# KiCad board solenoidDecoder.kicad_pcb (continued)
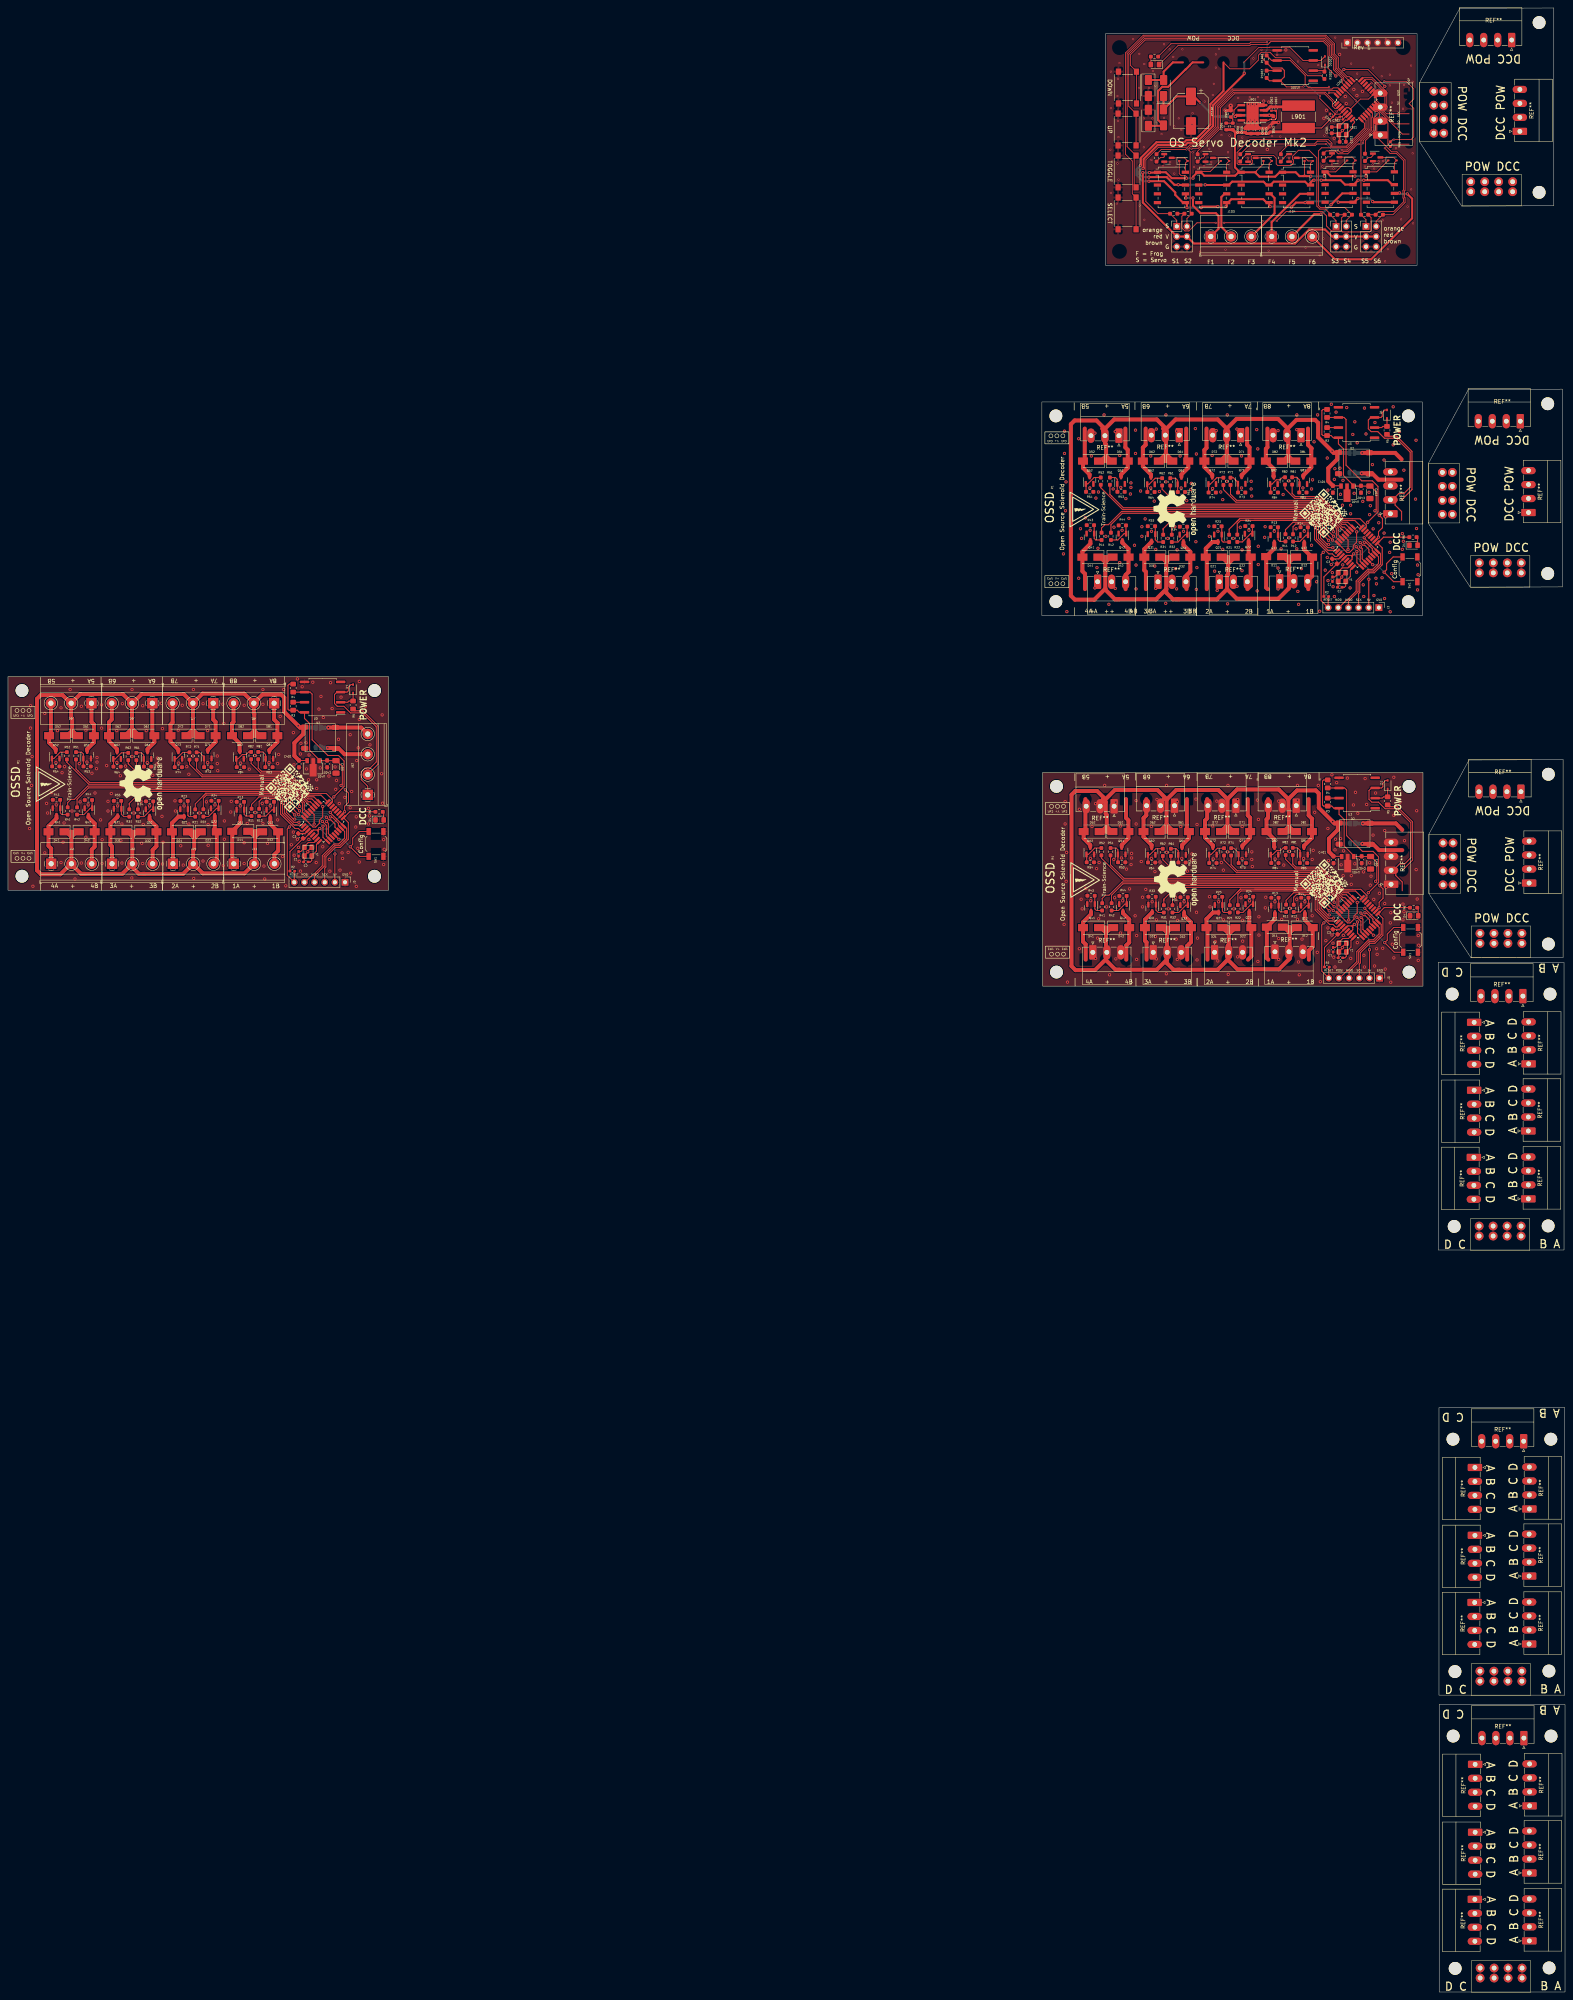
[diagram p0: board, top side]
## Routing (per net, layer and track width the routed paths; a pad name or vN(x,y) marks a point on that pad's centre or on a via; arc(x,y) is an arc through that point) (continued)
/POWER/Vin1: length 37.2
  Top w1: 348.9,383.7 347.28,385.31 339.06,385.31 v2(339.05,385.3) ; J62.4 88.44,316.56 80.22,316.56 v2(80.21,316.55) ; v2(339.21,292.55) 339.22,292.56 347.44,292.56 349.06,290.94
  Bottom w1: JP1#2.1 v2(339.05,385.3) ; 78.32,316.55 v2(80.21,316.55) ; JP1#3.1 v2(339.21,292.55)
/POWER/Vin2: length 37.4
  Top w1: 348.9,378.62 343.11,378.62 341.51,380.21 338.93,380.21 v2(338.92,380.22) ; v2(339.08,287.47) 339.09,287.46 341.67,287.46 343.27,285.86 349.06,285.86 ; J62.3 84.27,309.86 82.67,311.46 80.09,311.46 v2(80.08,311.47)
  Bottom w1: v2(80.08,311.47) 78.44,311.47 78.32,311.59 ; JP2#2.2 337.44,287.47 v2(339.08,287.47) ; v2(338.92,380.22) 337.28,380.22 JP2#3.2
GND: length 67.3
  Top w0.2: U202.3 333.49,471.59 v1(332.62,470.73) ; v2(332.65,468.91) 333.2,469.46 C202.2 333.92,469.46 U202.5 ; v1(341.38,477.84) 341.16,477.84 U202.21
  Top w0.25: C2.1 332.99,351.79 332.99,353.18 333.9,354.1 v2(333.9,354.23) 333.9,354.4 334.89,355.38 ; C201.1 332.79,465.34 Y201.2 ; Y201.2 334.04,465.86 v2(334.04,465.99) 334.17,465.99 335.06,466.87 Y201.4 ; Y201.2 333.39,464.74 C203.1 ; C2#2.1 74.15,283.04 74.15,284.43 75.06,285.34 v2(75.06,285.48) 75.06,285.64 76.05,286.63 ; C2#3.1 333.15,259.04 333.15,260.43 334.06,261.34 v2(334.06,261.48) 334.06,261.64 335.05,262.63 ; C3.1 333.2,358.78 U1#2.3 ; C3#3.1 333.36,266.02 U1.3 ; C3#2.1 74.36,290.02 U1#3.3
  Top w0.7: 311.97,466.6 315.34,466.6 C901.2 316.8,468.06 v2(318.06,468.06) ; v2(304.73,471.11) 304.79,471.04 R902.2
  Top w1: v2(306.12,472.25) 306.1,472.22 306.1,471.04 ; v2(311.58,472.63) v2(311.58,468.19) 311.58,467.2 C904.2 ; U901.4 312.85,472.38 v2(312.6,472.63) v2(312.6,468.19) 312.6,467.06 C905.2 312.65,466.6 309.81,466.6 310.57,467.36 v2(310.57,468.19) v2(310.57,472.63)
  vias: v1(275.98,461.2) v1(276.1,480.76) v1(276.1,471.61) v1(276.1,450.4) v1(277.63,447.74) v1(277.76,474.66) v1(277.76,457.77) v1(277.88,478.98) v1(277.88,468.44) v1(278.01,464.38) v1(278.01,453.71) v1(278.26,482.92) v1(281.69,488.89) v1(283.22,485.2) v1(283.22,476.69) v1(283.34,447.23) v1(284.36,469.07) v1(284.36,461.84) v1(284.49,482.66) v1(284.49,443.67) v1(285.63,476.69) v1(286.26,458.66) v1(286.52,469.07) v1(286.65,480.88) v1(287.28,477.2) v1(288.42,439.99) v1(288.8,465.14) v1(289.19,457.14) v1(289.44,487.62) v1(289.44,469.2) v1(290.84,486.35) v1(290.96,458.15) v1(291.73,484.44) v1(291.98,467.04) v1(291.98,455.23) v1(293.12,469.07) v1(293.76,466.15) v1(294.01,486.35) v1(296.42,467.55) v1(296.55,470.34) v1(296.55,460.56) v1(296.93,456.88) v1(298.46,435.67) v1(299.47,457.14) v1(299.6,473.26) v1(300.74,461.45) v1(301.25,458.15) v1(301.63,474.92) v1(301.89,477.71) v1(302.27,462.98) v1(302.39,485.08) v1(302.39,481.77) v1(303.16,486.47) v1(303.79,464.88) v1(304.81,436.18) v1(305.44,460.56) v1(305.82,464.76) v1(307.98,474.15) v1(308.11,462.22) v1(308.36,466.92) v1(309,464.25) v1(310.39,459.04) v1(310.9,474.41) v1(311.79,484.06) v1(312.93,474.41) v1(313.82,486.22) v1(315.6,435.93) v1(316.49,464.63) v1(317.76,484.95) v1(318.52,464.5) v1(320.68,459.17) v1(322.97,483.3) v1(324.87,436.69) v1(328.05,482.41) v1(328.43,434.78) v1(329.06,457.01) v1(329.32,438.98) v1(329.57,464.76) v1(331.48,457.52) v1(331.86,456.5) v1(332.27,489.27) v1(333,458.41) v1(336.27,482.77) v1(337.77,480.27) v1(339.73,457.01) v1(341.64,457.52) v1(341.77,481.77) v1(342.02,456.5) v1(343.16,458.28) v1(343.92,479.62) v1(344.18,443.55) v1(344.3,458.41) v1(344.77,433.27) v1(344.94,488.89) v1(345.32,441.01) v1(345.45,436.31) v1(345.95,480) v1(345.95,477.33) v1(346.08,470.98) v1(346.46,473.01) v1(347.48,461.58) v1(348.77,443.77) v1(349.26,471.49) v1(349.51,477.46) v1(350.4,446.98) v1(351.27,482.27) v1(351.29,451.29) v1(351.67,478.22) v1(351.67,460.31) v1(351.77,442.77) v2(5.4,291.27) v2(5.66,322.01) v2(5.66,316.42) v2(5.91,302.07) v2(6.04,309.31) v2(6.25,276.82) v2(9.21,320.1) v2(9.21,285.18) v2(9.67,297.57) v2(9.92,295.16) v2(10.86,300.29) v2(12.01,307.78) v2(12.08,297.19) v2(12.39,315.78) v2(13.28,321.5) v2(13.28,282.76) v2(13.53,305.24) v2(13.79,287.84) v2(14.04,292.67) v2(14.17,306.77) v2(15.56,326.07) v2(16.02,295.67) v2(16.78,278.65) v2(17.85,307.53) v2(18.05,297.95) v2(18.36,321.88) v2(18.36,282.64) v2(19.5,315.91) v2(19.5,289.11) v2(19.76,307.91) v2(20.08,297.19) v2(21.02,305.12) v2(21.79,300.16) v2(22.17,306.26) v2(22.29,309.05) v2(22.29,307.91) v2(23.18,293.43) v2(23.44,322.26) v2(23.44,316.42) v2(23.57,288.48) v2(23.57,282.51) v2(24.71,307.02) v2(25.03,298.08) v2(25.03,295.67) v2(25.85,300.04) v2(27.25,315.78) v2(27.25,307.78) v2(27.45,296.94) v2(28.14,304.48) v2(28.26,288.23) v2(28.52,292.42) v2(28.52,282.64) v2(28.65,322.51) v2(29.41,306.89) v2(31,278.9) v2(31.06,326.07) v2(31.06,309.31) v2(31.51,295.16) v2(33.29,298.08) v2(33.47,287.59) v2(33.73,322.01) v2(33.73,282.51) v2(33.85,292.29) v2(34.61,315.78) v2(34.87,307.78) v2(35.45,296.94) v2(36.26,304.61) v2(37.28,307.4) v2(37.41,308.93) v2(38.42,322.64) v2(38.55,294.32) v2(38.68,316.29) v2(38.68,282.38) v2(38.8,287.84) v2(41.8,298.21) v2(41.92,295.67) v2(42.62,315.91) v2(42.74,307.66) v2(43.25,286.95) v2(43.63,322.13) v2(43.88,282.13) v2(44.08,296.94) v2(44.77,306.77) v2(45.28,304.86) v2(45.28,292.42) v2(46.3,309.43) v2(46.43,326.07) v2(46.5,278.77) v2(47.89,295.16) v2(48.84,322.51) v2(48.84,283.14) v2(49.67,297.95) v2(49.98,315.78) v2(49.98,307.78) v2(50.11,292.29) v2(50.11,287.08) v2(51.83,297.19) v2(52.39,309.43) v2(52.39,307.53) v2(52.52,305.75) v2(53.79,322.39) v2(53.92,282) v2(54.04,317.56) v2(54.17,293.18) v2(54.17,288.61) v2(55.77,295.41) v2(55.89,298.08) v2(58.18,296.94) v2(58.24,307.66) v2(59.12,322.13) v2(59.12,287.72) v2(59.12,282.51) v2(59.89,292.54) v2(60.4,306.13) v2(61.79,309.56) v2(61.86,295.28) v2(63.64,297.57) v2(63.82,326.07) v2(63.82,322.39) v2(63.82,292.54) v2(64.08,281.88) v2(64.28,278.65) v2(64.97,287.59) v2(65.35,307.78) v2(65.67,296.94) v2(67.51,307.53) v2(67.51,293.43) v2(67.76,309.81) v2(68.14,319.34) v2(68.78,284.29) v2(69.03,326.07) v2(69.54,276.92) v2(70.94,287.21) v2(71.44,315.28) v2(71.44,290.38) v2(71.59,307.24) v2(71.64,284.59) v2(72.46,328.74) v2(72.46,288.61) v2(72.71,286.57) v2(72.91,283.06) v2(73.22,309.94) v2(73.22,280.61) v2(73.35,312.61) v2(73.65,326.76) v2(74.62,312.74) v2(74.75,306.19) v2(75.25,303.47) v2(75.38,309.69) v2(75.32,288.53) v2(76.32,327.9) v2(77.16,282.76) v2(77.29,303.47) v2(77.29,301.31) v2(77.84,321.17) v2(78.18,306.44) v2(78.35,324.35) v2(78.81,286.7) v2(78.94,319.09) v2(80.34,304.41) v2(80.46,283.53) v2(80.59,280.61) v2(80.76,327.78) v2(81.14,321.3) v2(81.9,306.7) v2(82.05,301.1) v2(82.24,303.34) v2(82.75,313.62) v2(82.94,297.54) v2(83.13,280.86) v2(83.38,324.17) v2(83.64,285.18) v2(83.76,283.78) v2(84.34,299.07) v2(85.16,285.3) v2(85.67,314.77) v2(85.67,296.48) v2(85.79,280.1) v2(86.05,300.54) v2(87.06,291.65) v2(87.19,294.19) v2(87.19,276.8) v2(87.32,308.29) v2(87.57,286.32) v2(87.7,311.47) v2(87.95,328.1) v2(87.95,318.58) v2(87.95,282.89) v2(89.48,321.88) v2(90.24,296.35) v2(90.24,292.42) v2(90.49,294.45) v2(90.62,312.23) v2(93.54,304.99) v2(93.67,319.72) v2(93.8,297.62) v2(94.05,288.48) v2(94.05,282.26) v2(94.18,286.07) v2(264.24,360.03) v2(264.4,267.27) v2(264.5,390.76) v2(264.5,385.17) v2(264.66,298.01) v2(264.66,292.42) v2(264.75,370.82) v2(264.88,378.06) v2(264.91,278.07) v2(265.09,345.58) v2(265.04,285.31) v2(265.25,252.82) v2(268.05,388.86) v2(268.05,353.93) v2(268.21,296.1) v2(268.21,261.18) v2(268.51,366.33) v2(268.67,273.57) v2(268.76,363.91) v2(268.92,271.16) v2(269.7,369.05) v2(269.87,276.29) v2(270.85,376.54) v2(270.92,365.94) v2(271.01,283.78) v2(271.08,273.19) v2(271.23,384.54) v2(271.39,291.78) v2(272.12,390.25) v2(272.12,351.52) v2(272.28,297.5) v2(272.28,258.76) v2(272.37,374) v2(272.53,281.24) v2(272.62,356.6) v2(272.79,263.84) v2(272.88,361.43) v2(273.01,375.52) v2(273.04,268.67) v2(273.17,282.77) v2(274.4,394.83) v2(274.56,302.07) v2(274.86,364.42) v2(275.02,271.67) v2(275.62,347.4) v2(275.78,254.65) v2(276.69,376.28) v2(276.89,366.71) v2(276.85,283.53) v2(277.05,273.95) v2(277.2,390.63) v2(277.2,351.39) v2(277.36,297.88) v2(277.36,258.64) v2(278.34,384.67) v2(278.34,357.87) v2(278.5,291.91) v2(278.5,265.11) v2(278.59,376.67) v2(278.75,283.91) v2(278.92,365.94) v2(279.08,273.19) v2(279.86,373.87) v2(280.03,281.12) v2(280.63,368.92) v2(280.79,276.16) v2(281.01,375.01) v2(281.13,377.81) v2(281.13,376.67) v2(281.17,282.26) v2(281.3,285.05) v2(281.3,283.91) v2(282.02,362.19) v2(282.18,269.43) v2(282.28,391.02) v2(282.28,385.17) v2(282.4,357.23) v2(282.4,351.26) v2(282.44,298.26) v2(282.44,292.42) v2(282.56,264.48) v2(282.56,258.51) v2(283.55,375.78) v2(283.71,283.02) v2(283.87,366.83) v2(283.87,364.42) v2(284.03,274.08) v2(284.03,271.67) v2(284.69,368.79) v2(284.85,276.04) v2(286.09,384.54) v2(286.09,376.54) v2(286.29,365.69) v2(286.25,291.78) v2(286.25,283.78) v2(286.45,272.94) v2(286.98,373.24) v2(287.1,356.98) v2(287.14,280.48) v2(287.26,264.23) v2(287.36,361.17) v2(287.36,351.39) v2(287.48,391.27) v2(287.52,268.42) v2(287.52,258.64) v2(287.65,298.51) v2(288.25,375.65) v2(288.41,282.89) v2(289.9,394.83) v2(289.9,378.06) v2(289.84,347.66) v2(290,254.9) v2(290.06,302.07) v2(290.06,285.31) v2(290.35,363.91) v2(290.51,271.16) v2(292.13,366.83) v2(292.29,274.08) v2(292.31,356.35) v2(292.47,263.59) v2(292.56,390.76) v2(292.56,351.26) v2(292.69,361.04) v2(292.73,298.01) v2(292.73,258.51) v2(292.85,268.29) v2(293.45,384.54) v2(293.61,291.78) v2(293.71,376.54) v2(293.87,283.78) v2(294.29,365.69) v2(294.45,272.94) v2(295.1,373.36) v2(295.27,280.61) v2(296.12,376.16) v2(296.25,377.68) v2(296.28,283.4) v2(296.41,284.93) v2(297.26,391.4) v2(297.39,363.08) v2(297.42,298.64) v2(297.52,385.05) v2(297.52,351.14) v2(297.55,270.32) v2(297.64,356.6) v2(297.68,292.29) v2(297.68,258.38) v2(297.81,263.84) v2(300.64,366.96) v2(300.76,364.42) v2(300.8,274.21) v2(300.92,271.67) v2(301.45,384.67) v2(301.58,376.41) v2(301.62,291.91) v2(301.74,283.66) v2(302.09,355.71) v2(302.25,262.95) v2(302.47,390.89) v2(302.63,298.13) v2(302.72,350.88) v2(302.88,258.13) v2(302.92,365.69) v2(303.08,272.94) v2(303.61,375.52) v2(303.77,282.77) v2(304.12,373.62) v2(304.12,361.17) v2(304.28,280.86) v2(304.28,268.42) v2(305.14,378.19) v2(305.26,394.83) v2(305.3,285.43) v2(305.34,347.53) v2(305.43,302.07) v2(305.5,254.77) v2(306.73,363.91) v2(306.89,271.16) v2(307.68,391.27) v2(307.68,351.9) v2(307.84,298.51) v2(307.84,259.14) v2(308.51,366.71) v2(308.67,273.95) v2(308.82,384.54) v2(308.82,376.54) v2(308.95,361.04) v2(308.95,355.84) v2(308.98,291.78) v2(308.98,283.78) v2(309.11,268.29) v2(309.11,263.08) v2(310.67,365.94) v2(310.83,273.19) v2(311.23,378.19) v2(311.23,376.28) v2(311.36,374.51) v2(311.39,285.43) v2(311.39,283.53) v2(311.52,281.75) v2(312.63,391.14) v2(312.76,350.76) v2(312.79,298.39) v2(312.88,386.32) v2(312.92,258) v2(313.01,361.93) v2(313.01,357.36) v2(313.05,293.56) v2(313.17,269.18) v2(313.17,264.61) v2(314.38,473.39) v2(314.61,364.17) v2(314.73,366.83) v2(314.77,271.41) v2(314.89,274.08) v2(315.27,461.27) v2(315.65,473.14) v2(316.03,467.17) v2(317.08,376.41) v2(317.02,365.69) v2(317.18,272.94) v2(317.24,283.66) v2(317.96,390.89) v2(317.96,356.47) v2(317.96,351.26) v2(318.12,298.13) v2(318.12,263.72) v2(318.12,258.51) v2(318.73,361.3) v2(318.89,268.54) v2(319.23,374.89) v2(319.4,282.13) v2(319.92,486.2) v2(320.63,378.32) v2(320.7,364.04) v2(320.79,285.56) v2(320.86,271.28) v2(322.48,366.33) v2(322.66,394.83) v2(322.66,391.14) v2(322.66,361.3) v2(322.64,273.57) v2(322.82,302.07) v2(322.82,298.39) v2(322.82,268.54) v2(322.92,350.63) v2(323.08,257.88) v2(323.12,347.4) v2(323.28,254.65) v2(323.81,356.35) v2(323.97,263.59) v2(324.19,376.54) v2(324.35,283.78) v2(324.51,365.69) v2(324.67,272.94) v2(326.35,376.28) v2(326.35,362.19) v2(326.6,378.57) v2(326.51,283.53) v2(326.51,269.43) v2(326.76,285.81) v2(326.98,388.1) v2(327.14,295.34) v2(327.62,353.04) v2(327.78,260.29) v2(327.87,394.83) v2(328.03,302.07) v2(328.38,345.68) v2(328.54,252.92) v2(329.44,469.07) v2(329.78,355.96) v2(329.94,263.21) v2(330.08,471.11) v2(330.28,384.03) v2(330.28,359.14) v2(330.43,375.99) v2(330.47,353.34) v2(330.44,291.28) v2(330.44,266.38) v2(330.6,283.24) v2(330.64,260.59) v2(331.3,397.49) v2(331.3,357.36) v2(331.46,304.74) v2(331.46,264.61) v2(331.55,355.33) v2(331.74,351.82) v2(331.71,262.57) v2(331.91,259.06) v2(332.01,464.09) v2(332.06,378.7) v2(332.06,349.36) v2(332.19,381.36) v2(332.22,285.94) v2(332.22,256.61) v2(332.35,288.61) v2(332.49,395.52) v2(332.65,302.76) v2(333.38,485.08) v2(333.46,381.49) v2(333.59,374.95) v2(333.62,288.74) v2(333.75,282.19) v2(334.09,372.22) v2(334.16,357.28) v2(334.22,378.44) v2(334.25,279.47) v2(334.38,285.69) v2(334.32,264.53) v2(334.78,474.53) v2(335.03,472.76) v2(335.16,396.66) v2(335.32,303.9) v2(336,351.52) v2(336.12,372.22) v2(336.12,370.06) v2(336.16,258.76) v2(336.29,279.47) v2(336.29,277.31) v2(336.68,389.93) v2(336.84,297.17) v2(336.94,476.31) v2(337.02,375.2) v2(337.19,393.1) v2(337.18,282.44) v2(337.35,300.35) v2(337.7,474.79) v2(337.65,355.46) v2(337.78,387.84) v2(337.81,262.7) v2(337.94,295.09) v2(339.1,475.81) v2(339.18,373.17) v2(339.3,352.28) v2(339.34,280.41) v2(339.43,349.36) v2(339.46,259.53) v2(339.6,396.53) v2(339.59,256.61) v2(339.76,303.78) v2(339.98,390.06) v2(340.14,297.3) v2(340.74,375.45) v2(340.89,369.85) v2(340.9,282.7) v2(341.08,372.09) v2(341.05,277.1) v2(341.24,279.34) v2(341.59,382.38) v2(341.78,366.3) v2(341.75,289.62) v2(341.97,349.61) v2(341.94,273.54) v2(342.13,256.86) v2(342.22,392.92) v2(342.38,300.17) v2(342.48,353.93) v2(342.6,352.54) v2(342.64,261.18) v2(342.76,259.78) v2(343.17,367.82) v2(343.34,275.07) v2(344,354.06) v2(344.16,261.3) v2(344.51,383.52) v2(344.51,365.24) v2(344.63,348.85) v2(344.67,290.77) v2(344.67,272.48) v2(344.8,256.1) v2(344.89,369.3) v2(345.05,276.54) v2(345.9,360.41) v2(346.03,362.95) v2(346.03,345.55) v2(346.06,267.65) v2(346.16,377.05) v2(346.19,270.19) v2(346.19,252.8) v2(346.32,284.29) v2(346.41,355.07) v2(346.54,380.22) v2(346.57,262.32) v2(346.7,287.47) v2(346.79,396.86) v2(346.79,387.33) v2(346.79,351.65) v2(346.95,304.1) v2(346.95,294.58) v2(346.95,258.89) v2(348.32,390.63) v2(348.48,297.88) v2(349.08,365.11) v2(349.08,361.17) v2(349.24,272.35) v2(349.24,268.42) v2(349.33,363.2) v2(349.46,380.98) v2(349.49,270.45) v2(349.62,288.23) v2(352.38,373.74) v2(352.51,388.48) v2(352.54,280.99) v2(352.63,366.38) v2(352.67,295.72) v2(352.8,273.62) v2(352.89,357.23) v2(352.89,351.01) v2(353.02,354.82) v2(353.05,264.48) v2(353.05,258.26) v2(353.18,262.07)
(no net): length 1822.7
  Top w0.2: R907.2 339.86,460.33 339.86,463.5 342.29,465.93 342.29,468.73 v1(342.77,469.21) ; R201.1 291.16,487.74 310.78,487.74 311.16,488.12 v1(315.22,488.12) ; v1(338.17,462.6) 337.83,462.6 335.42,460.19 333.02,460.19 332.3,460.91 330,460.91 R906.2 ; Q701.1 289.47,459.45 289.31,459.3 288.57,459.3 R703.1 ; K901.8 336.74,457.92 D901.2 336.53,459.36 Q901.3 ; R803.2 311.05,462.64 327.07,462.64 327.79,463.36 330.08,463.36 330.8,462.64 v1(330.91,462.64) ; v2(344.02,474.92) 343.77,475.17 343.02,475.17 U202.17 342.62,473.54 343.68,472.48 343.68,472.29 343.69,472.29 343.69,471.66 345.13,470.22 350.78,470.22 ; v1(339.27,462.85) 339.27,463.47 341.89,466.1 341.89,469.1 342.78,469.99 v1(342.78,470.09) ; v2(334.45,481.32) 340.47,481.32 v2(344.7,477.09) ; v1(333,461.07) 333.48,460.59 334.17,460.59 334.32,460.74 335.4,460.74 341,466.34 341,469.71 340.36,470.35 U202.12 ; R801.2 R802.2 333.88,444.18 333.88,440.89 ; 312.53,455.89 312.53,455.46 312.43,455.36 ; 312.53,455.89 314.3,457.66 D801.1 ; 312.53,455.89 312.21,455.57 ; v1(295.03,461.29) 288.74,461.29 R703.2 ; 333.88,440.89 334.14,440.63 335.51,440.63 335.52,440.63 339.5,440.63 339.51,440.63 340.9,440.63 341.26,440.99 341.26,444.23 R904.2 R905.2 343.17,445.72 346.93,445.72 349.36,448.16 349.36,449.01 349.24,449.14 349.24,451.04 349.36,451.17 349.36,458.49 347.57,460.29 346,460.29 v1(344.7,461.6) ; 333.88,440.89 333.87,440.87 331.34,440.87 330.08,442.14 330.08,444.66 328.97,445.77 320.03,445.77 v1(317.65,443.4) ; 324.24,454.6 324.24,454.66 324.58,455.01 ; SW603.2 SW603.2 280.59,472.08 280.59,485.13 284.53,489.07 329.65,489.07 331.31,487.41 331.31,484.87 332.26,483.92 332.26,481.39 334.41,479.24 334.41,478.68 U202.27 ; Q901.1 331.48,459.8 331.1,459.42 330.33,459.42 329.37,458.45 R906.1 ; U202.4 333.45,470.12 332.33,470.12 328.43,474.03 v1(328.43,474.65) ; 324.58,455.01 325,454.6 325.13,454.6 ; 324.58,455.01 D802.1 ; U202.13 341.64,470.32 341.64,469.42 341.42,469.2 341.42,466.81 341.4,466.79 341.4,466.17 338.72,463.49 R904.1 339.99,443.67 J901.1 ; v1(330.02,462.64) 327.64,462.64 327.24,462.24 320.32,462.24 318.65,460.56 R804.2 ; U202.31 332.56,476 306.71,476 302.74,472.03 302.74,466.87 297.88,462 296.07,462 295.66,461.6 295.66,461.06 295.97,460.76 295.97,445.58 R702.1 295.15,444.01 J701.2 ; D201.1 292.93,487.3 310.89,487.3 311.17,487.57 315.45,487.57 315.86,487.98 315.86,488 316.13,488.27 329.32,488.27 330.46,487.13 330.46,481.63 v2(332.42,479.67) ; 350.78,462.6 346.68,462.6 R202.1 345.46,462.62 345.46,467.87 v1(343.88,469.45) ; U202.29 334.49,476.47 v1(337.44,473.53) ; SW602.2 281.95,452.27 281.95,459.27 SW602.2 280.19,461.98 280.19,485.29 284.37,489.47 329.82,489.47 331.71,487.58 331.71,485.04 332.66,484.08 332.66,481.55 U202.26 ; SW604.2 SW604.2 282.52,480.82 280.99,482.35 280.99,484.96 284.7,488.67 329.49,488.67 330.91,487.25 330.91,484.71 331.86,483.75 331.86,481.22 334.01,479.08 334.01,477.95 U202.28 ; U202.10 339.23,469.32 339.99,468.57 339.99,466.45 335.22,461.69 328.85,461.69 328.07,460.91 328.07,447.27 328.58,446.75 334.67,446.75 R802.1 335.03,443.5 J801.2 ; K901.1 332.39,455.67 D901.1 ; Q902.3 346.88,459.3 D902.2 347.09,457.98 K902.8 ; Q802.1 320.36,460.12 319.41,459.17 319.41,459.04 318.65,458.28 R804.1 ; 335.92,471.49 336.18,471.49 338.59,473.9 340.62,473.9 U202.18 342.96,476.24 v1(343.22,476.24) ; v1(324.36,477.07) 324.24,476.95 320.05,476.95 318.52,478.47 U1001.8 ; U202.2 332.55,471.49 332.24,471.49 331.59,472.13 331.59,472.48 331.6,472.48 331.6,473.21 329.61,475.2 307.04,475.2 303.54,471.69 303.54,466.53 297.82,460.82 R704.2 ; R201.2 286.12,482.54 D201.2 ; K802.8 326.09,457.81 D802.2 325.47,458.41 324.71,459.17 Q802.3 ; v2(295.03,454.09) 295.03,454.47 294.77,454.72 293.71,454.72 293.22,455.22 D701.1 ; D702.1 300.96,455.74 298.28,455.74 K702.1 ; R704.1 297.93,458.26 298.84,459.17 299.22,459.17 299.6,459.55 299.6,459.91 Q702.1 ; v1(344.47,471.65) 344.72,471.9 344.72,475.51 341.41,478.83 339.89,478.83 U202.23 ; D902.1 342.68,455.67 K902.1 ; K801.8 315.74,457.75 D801.2 315.64,459.17 Q801.3 ; U202.15 349.08,465.14 350.78,465.14 ; R803.1 308.49,458.41 309.12,459.04 309.12,459.17 310.07,460.12 Q801.1 ; 350.78,467.68 347.1,467.68 343.29,471.49 343.29,472.06 U202.16 ; U202.9 339.59,467.84 339.59,466.62 335.05,462.09 331.13,462.09 331.46,462.41 331.46,462.87 330.56,463.76 310.92,463.76 307.71,460.55 307.71,457.78 308.03,457.47 311.1,457.47 311.51,457.88 311.51,458.55 311.25,458.82 311.25,459.52 311.51,459.78 316.82,459.78 317.51,459.1 317.51,457.64 317.89,457.26 321.18,457.26 321.8,457.88 321.8,458.63 321.6,458.83 321.6,459.58 323.09,461.07 325.76,461.07 327.67,459.17 327.67,447.1 328.42,446.35 329.82,446.35 330.99,445.17 R801.1 332.49,443.44 J801.1 ; U202.11 340.49,469.2 340.49,466.4 335.24,461.14 v1(333.89,461.14) ; R907.1 339.73,458.41 340.62,459.3 341.26,459.3 341.72,459.75 Q902.1 ; Q702.3 304.97,459.17 D702.2 305.12,457.79 K702.8 ; U202.1 329.78,475.6 306.87,475.6 303.14,471.86 303.14,466.7 298.02,461.58 296.42,461.58 v1(296.3,461.45) ; R1003.1 314.08,484.02 v1(314.08,484.95) ; R202.2 346.63,463.75 v1(346.97,463.75) 351.26,463.75 351.93,464.42 351.93,471.61 350.78,472.76 351.93,473.91 351.93,476.45 350.03,478.35 v1(344.56,478.35) ; v1(302.37,442.91) 297.67,442.91 295.63,440.87 294.66,440.87 293.88,441.65 293.88,444.56 R702.2 R701.2 ; U202.14 342.29,470.8 342.85,470.8 343.33,470.32 343.33,468.99 342.69,468.35 342.69,464.38 346.38,460.69 347.73,460.69 349.76,458.66 349.76,451 349.64,450.87 349.64,449.3 349.76,449.17 349.76,447.99 346.72,444.94 R905.1 344.18,444.94 342.53,443.29 J901.2 ; U202.30 333,476.69 331.77,476.69 331.48,476.4 306.54,476.4 302.27,472.12 302.27,466.96 297.71,462.4 295.9,462.4 295.33,461.84 288.04,461.84 284.87,458.66 284.87,448.25 287.92,445.2 R701.1 292.61,443.52 J701.1 ; K701.8 294.77,457.86 D701.2 294.55,459.17 Q701.3 ; SW601.2 SW601.2 281.47,450.2 281.47,458.38 279.79,460.06 279.79,485.46 284.2,489.87 329.98,489.87 332.11,487.74 332.11,485.2 333.06,484.25 333.06,481.72 335.29,479.49 335.86,479.49 U202.25 ; U202.24 339.16,479.23 341.57,479.23 345.19,475.61 345.19,471.94 v1(345.27,471.86) ; v1(314.08,443.29) 313.71,442.93 304.48,442.93 v1(304.47,442.91)
  Top w0.25: 332.12,469.91 332.22,470.01 332.22,470.23 ; 332.12,469.91 328.87,466.65 L901.2 ; 332.12,469.91 332.33,470.12 ; C202.1 335.28,469.89 U202.6 336.3,470.71 336.3,471.11 336.18,471.23 ; C203.2 334.94,464.86 Y201.3 ; C902.1 C903.1 317.59,470.81 317.59,469.14 317.27,468.82 315.9,468.82 315.65,468.57 U901.1 ; 336.18,471.23 335.67,471.74 335.07,471.74 U202.4 ; 336.18,471.23 336.18,471.49 ; U1001.7 317.73,481.01 R1002.2 ; D1001.1 329.7,480.89 R1001.2 329.32,481.01 U1001.2 ; R1003.1 316.43,481.66 318.94,481.66 319.54,481.06 319.54,479.47 318.55,478.47 U1001.8 315.81,478.47 R1002.1 ; U202.8 337.09,468.29 337.09,467.99 336.61,467.51 336.61,466.66 335.06,465.1 ; C201.2 332.88,466.89 Y201.1 333.42,467.17 334.85,468.61 335.33,468.61 U202.7 ; R901.2 R903.1 306.63,468.88 R902.1 306.92,470.19 306.92,471.14 308.16,472.38 U901.5
  Top w0.5: 307.16,464.76 307.16,465.41 307.3,465.55 ; 307.16,464.76 307.16,456.81 308.4,455.57 K801.1 ; 307.16,464.76 307.16,464.99 307.73,465.55 ; K902.1 339.99,455.57 v2(339.99,454.6) ; K801.1 312.21,455.57 313.32,454.47 317.25,454.47 318.36,455.57 K802.1 322.37,455.57 323.35,454.6 326.12,454.6 v2(326.14,454.57) ; K801.1 308.07,455.57 307.22,454.72 299.47,454.72 298.62,455.57 K702.1 297.78,455.57 296.68,454.47 v2(296.68,454.09) ; D1102.1 289.31,478.66 D1101.2 289.31,480.76 291.63,483.08 294.15,483.08 ; v2(296.67,449.13) 296.67,447.22 298.56,445.32 302.39,445.32 303.07,444.65 303.07,441.43 J103.1 ; K801.6 316.05,450.17 317.09,449.14 317.09,445.29 J103.3 ; v2(350.34,450.15) 351.54,448.95 351.54,444.05 341.27,433.77 332.24,433.77 J104.3 ; v2(331.22,447.45) 334.05,450.27 K901.6 ; v2(284.11,455.49) 284.11,447.99 J701.3 J701.4 296.9,437.73 322.23,437.73 325.73,441.23 329.73,441.23 331.48,439.48 J801.3 J901.4 ; K802.6 323.44,450.17 316.36,443.1 J104.1 ; v2(285.76,455.49) 287.68,455.49 K701.1 289.86,455.57 291.34,454.09 v2(295.03,454.09) ; K701.6 294.9,450.04 v2(294.9,449.13) ; K702.6 304.57,450.17 303.77,449.36 303.77,441.92 J103.2 ; 299.23,483.08 296.57,483.08 295.9,482.4 295.9,482.35 294.87,481.33 294.82,481.33 290.46,476.96 288.97,476.96 287.94,475.93 287.94,468.65 D1103.2 289.2,467.2 D1104.1 ; v2(329.57,454.6) 329.57,455.51 K901.1 330.07,455.67 331.15,454.6 v2(337.19,454.6) ; J104.2 327.03,445.07 v2(328.68,445.07) ; D1101.1 289.29,474.64 D1103.1 292.56,474.57 C1101.1 296.9,474.57 v1(298.46,473.01) ; v2(348.37,450.4) 348.24,450.27 K902.6
  Top w0.7: v2(307.27,469.51) 307.59,469.84 U901.7 ; R901.1 R903.2 307.3,465.55 C906.1 310.1,465.25 C904.1 311.2,465.26 315.52,465.26 315.94,465.68 322.76,465.68 ; 316.79,469.6 316.55,469.84 v2(315.78,469.84) U901.2 ; 320.55,471.94 C903.2 C902.2 315.96,471.94 315.12,471.11 U901.3
  Bottom w0.2: v1(304.47,442.91) v1(302.37,442.91) ; v1(342.77,469.21) 342.8,469.21 345.27,471.67 v1(345.27,471.86) ; v1(328.43,474.65) 328.31,474.65 325.89,477.07 v1(324.36,477.07) ; v1(330.02,462.64) 331.44,461.22 332.85,461.22 v1(333,461.07) ; v1(314.08,443.29) 314.18,443.4 v1(317.65,443.4) ; v1(295.03,461.29) 295.2,461.45 v1(296.3,461.45) ; v1(333.89,461.14) 333.41,461.62 331.6,461.62 330.91,462.32 v1(330.91,462.64) ; v1(339.27,462.85) 339.01,462.6 v1(338.17,462.6) ; v1(343.88,469.45) 343.08,468.66 342.31,468.66 v1(337.44,473.53) ; v2(344.7,477.09) 344.02,476.41 v2(344.02,474.92) ; v1(315.22,488.12) 315.22,486.09 v1(314.08,484.95) ; v1(344.7,461.6) 346.85,463.75 v1(346.97,463.75) ; v2(334.45,481.32) 332.8,479.67 v2(332.42,479.67) ; v1(343.22,476.24) 343.22,477 v1(344.56,478.35) ; v1(342.78,470.09) 342.91,470.09 v1(344.47,471.65)
  Bottom w0.5: v2(328.68,445.07) 328.84,445.07 v2(331.22,447.45) ; v2(295.03,454.09) v2(296.68,454.09) ; v2(350.34,450.15) 348.62,450.15 v2(348.37,450.4) ; v2(337.19,454.6) v2(339.99,454.6) ; v2(284.11,455.49) v2(285.76,455.49) ; v2(326.14,454.57) 329.55,454.57 v2(329.57,454.6) ; v1(298.46,473.01) 301.96,469.51 303.09,469.51 ; v2(296.67,449.13) v2(294.9,449.13)
  Bottom w0.7: v2(315.78,469.84) 307.59,469.84 v2(307.27,469.51) 303.09,469.51
/DCC/DCC_A: length 211.6
  Top w0.2: 304.31,483.08 305.91,481.48 310.86,481.48 313.03,483.64 313.03,484.86 313.78,485.61 315.95,485.61 317.31,484.25 320.88,484.25 325.38,479.74 328.77,479.74 R1001.1
  Top w0.25: 349.06,280.78 351.65,283.38 351.65,292.93 347.84,296.74 345.86,296.74 R5.1 ; J62.2 92.65,307.38 92.65,316.93 88.84,320.74 86.86,320.74 R5#2.1 ; 348.9,373.54 351.49,376.13 351.49,385.68 347.68,389.49 345.7,389.49 R5#3.1